# Altium PCB IPG.PcbDoc (part 3 of 10)
Units mm, origin at the board's own origin, x right, y up, seen from the top; angles counter-clockwise.
Board outline 69.6 x 90.73 mm, 10 copper layers (TOP, DHOR, DVERT, GND 1, POWER, GND 2, GND 3, AVERT, AHOR, BOT), stack 1.062 mm thick; 727 components, 391 nets, 2009 pads, 3077 vias.
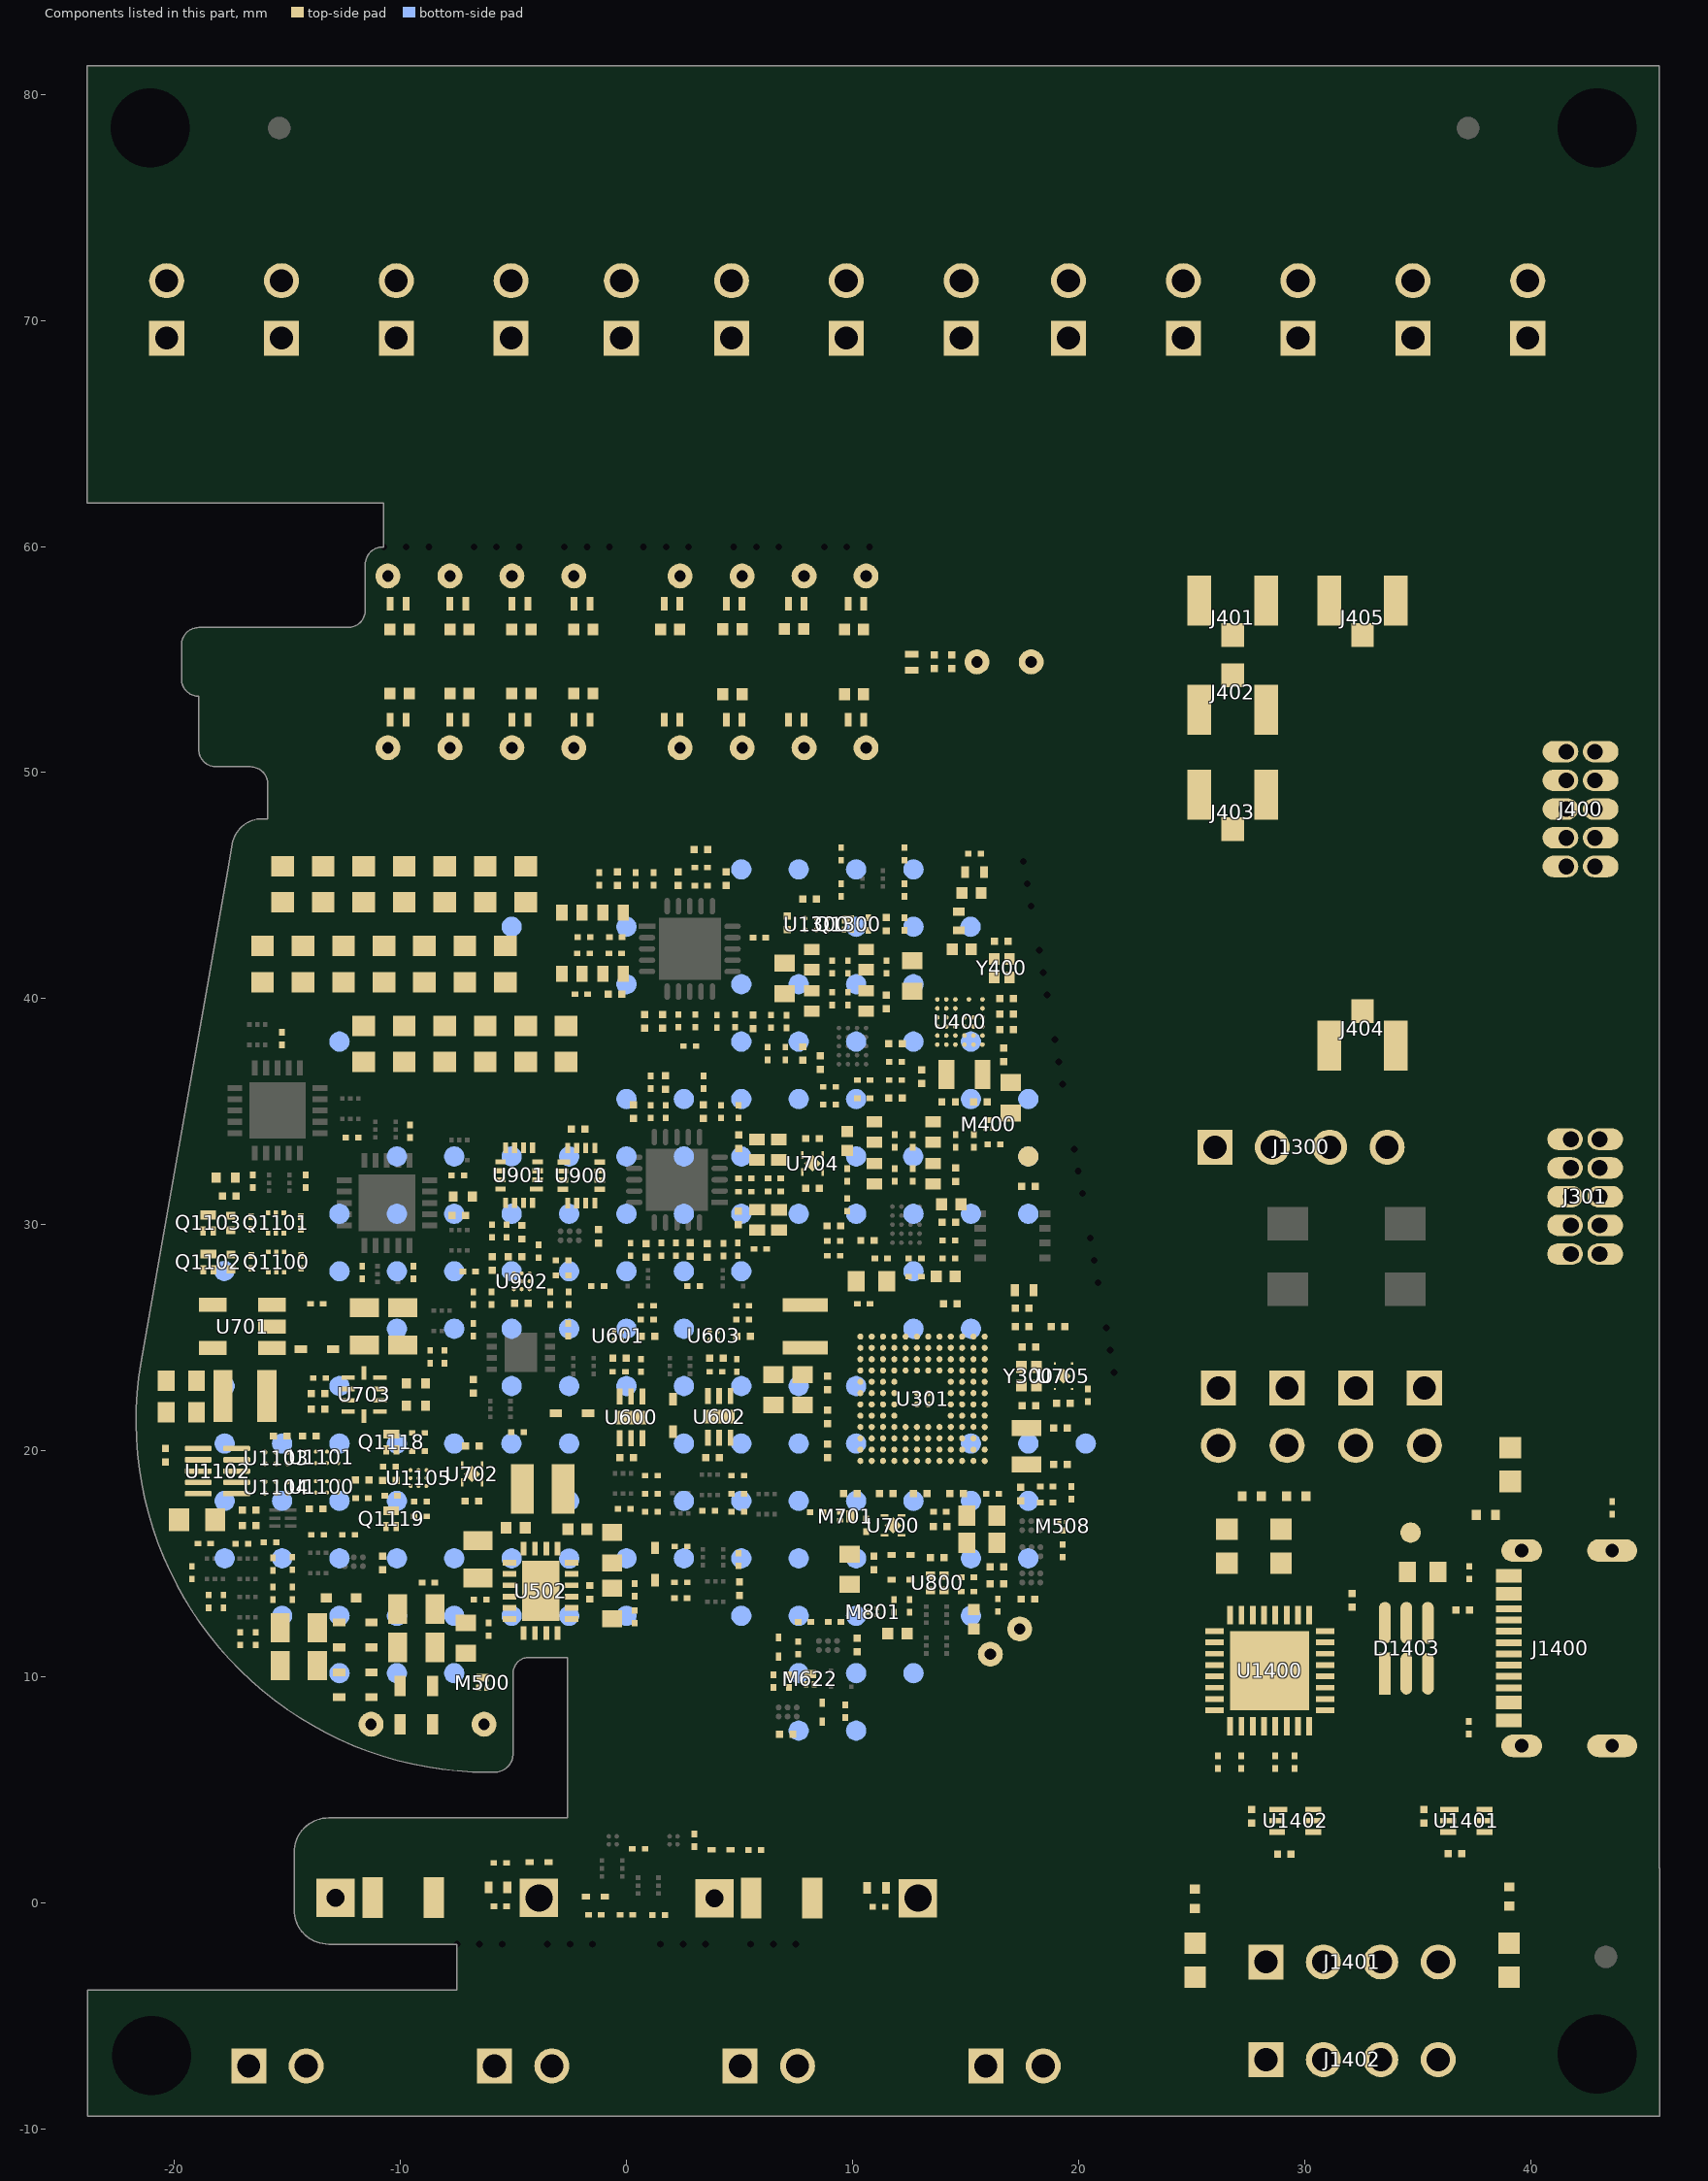
[diagram p11: the components of this part, seen from the top]

## Footprints (in the part's own frame and the unit in brackets; to place one, negate y for a bottom-side part, rotate by r counter-clockwise, add the part's x,y. Pads: shape width x height; smd on the part's side, far side on the other; paste and mask are expansions set on the pad) (continued)
FP-U_FL-R-SMT-1_10-MFG [mm]
  rect 1x1.05 smd: 1(0,-1.525)
  rect 1.05x2.2 smd: 2(1.475,0) 3(-1.475,0)
  body extent -1.5,-1.55 1.5,1.55, height 1.45
HOLE_UNPLATED_3.5MM [mm]
  round 0 hole 3.5 unplated paste-2539.97 mask+0.102: 1(0,0)
L0402_C [mm] "Chip Inductor, 2-Leads, Body 1.00x0.50mm, IPC High Density"
  rect 0.35x0.52 smd: 1(-0.415,0) 2(0.415,0)
  TOP keep-out region: -0.108,-0.362 0.108,-0.362 0.108,0.362 -0.108,0.362
  body extent -0.5,-0.25 0.5,0.25, height 0.54
LEDC0603 [mm]
  rect 0.95x0.95 smd: A(0.75,0) K(-0.75,0)
  silkscreen extent -2.03,-0.13 -1.78,0.13, body extent -0.83,-0.4 0.77,0.4, height 0.7
LITTELFUSE_440series_1206_REDUCED [mm] "Fuse, 2-Leads, Body 3.20x1.63mm, IPC High Density"
  rect 0.9x1.8 smd: 1(-1.35,0) 2(1.35,0)
  body extent -1.69,-0.86 1.69,0.86, height 0.86
LSEUC2520KKT6R8M [mm] "Inductor, Chip; 2.50 mm L X 2.00 mm W X 1.00 mm H body"
  rect 1x2.2 smd: 1(-0.9,0) 2(0.9,0)
  body extent -1.25,-1 1.25,1, height 1
LT_DC6 [mm] "SON, 6-Leads, Body 2.00x2.00mm, Pitch 0.50mm, Thermal Pad, IPC High Density"
  rect 0.7x0.25 smd: 1(-0.925,0.5) 2(-0.925,0) 3(-0.925,-0.5) 4(0.925,-0.5) 5(0.925,0) 6(0.925,0.5)
  rect 0.6x1.37 smd: 7(0,0)
  silkscreen extent -1.31,0.92 -1.19,1.03, body extent -1.05,-1.05 1.05,1.05, height 0.85
LT_S5_L [mm] "SOT23, 5-Leads, Body 2.90x2.80mm, Pitch 0.95mm, IPC High Density"
  rect 1.22x0.62 smd: 1(-1.31,0.95) 2(-1.31,0) 3(-1.31,-0.95) 4(1.31,-0.95) 5(1.31,0.95)
  body extent -1.5,-1.5 1.5,1.5, height 1.45
LT_UDC-20_REDUCED [mm] "QFN, 20-Leads, Body 3.00x4.00mm, Pitch 0.50mm, Thermal Pad 1.65x2.65mm, IPC High Density"
  rect 0.6x0.25 smd: 1(-1.375,1.25) 2(-1.375,0.75) 3(-1.375,0.25) 4(-1.375,-0.25) 5(-1.375,-0.75) 6(-1.375,-1.25) 11(1.375,-1.25) 12(1.375,-0.75) 13(1.375,-0.25) 14(1.375,0.25) 15(1.375,0.75) 16(1.375,1.25)
  rect 0.25x0.6 smd: 7(-0.75,-1.875) 8(-0.25,-1.875) 9(0.25,-1.875) 10(0.75,-1.875) 17(0.75,1.875) 18(0.25,1.875) 19(-0.25,1.875) 20(-0.75,1.875)
  rect 1.65x2.65 smd: 21(0,0)
  silkscreen extent -1.75,1.8 -1.3,2.25, body extent -1.55,-2.05 1.55,2.05, height 0.8
MICROCRYSTAL_CC8V-T1A [mm] "DFN, 2-Leads, Body 1.20x2.00mm, Pitch 1.47mm, IPC High Density"
  rect 0.7x1.3 smd: 1(-0.8,0) 2(0.8,0)
  body extent -1,-0.6 1,0.6, height 0.6
Negative_Battery_PTH [mm] "Negative terminal battery PTH connector for the QL0200I-A battery"
  rect 1.7x1.7 hole 0.8 mask+0.076: 1(0,0)
NORDIC_WLCSP_2.482x2.464 [mil]
  round 8 smd: A1(-39.37,39.37) A2(-23.62,39.37) A3(-7.87,39.38) A4(7.87,39.38) A5(23.62,39.38) A6(39.37,39.38) B3(-7.87,23.62) B4(7.87,23.62) B5(23.62,23.63) B6(39.37,23.63) C1(-39.37,15.75) D3(-7.87,7.87) D4(7.87,7.88) D5(23.62,7.88) D6(39.37,7.88) E1(-39.37,-7.88) E2(-23.62,-7.88) E3(-7.87,-7.88) E4(7.87,-7.87) E5(23.62,-7.87) E6(39.37,-7.87) F1(-39.37,-23.63) F2(-23.62,-23.63) F3(-7.87,-23.62) F4(7.87,-23.62) F5(23.62,-23.62) F6(39.37,-23.62) G1(-39.37,-39.38) G2(-23.62,-39.38) G3(-7.87,-39.38) G4(7.87,-39.38) G5(23.62,-39.37) G6(39.37,-39.37)
  silkscreen extent -53,-52 53,52, body extent -49,-48 49,48, height 21
NVE_ULLGA4 [mm] "PSON, 4-Leads, Body 1.10x1.10mm, Pitch 0.65mm, IPC High Density"
  rect 0.35x0.4 smd mask+0.051: 1(-0.325,0.3) 2(-0.325,-0.3) 3(0.325,-0.3) 4(0.325,0.3)
  silkscreen extent -0.69,0.47 -0.47,0.69, body extent -0.6,-0.6 0.6,0.6, height 0.4
ONSC_SOD-923_CASE514AB [mm]
  rect 0.36x0.25 smd: 1(0.42,0) 2(-0.42,0)
  silkscreen extent 0.82,-0.31 0.82,0.29, body extent -0.5,-0.33 0.5,0.33, height 0.4
PESD5V0S1BLD315 [mm]
  rect 0.3x0.6 smd mask+0.051: 1(-0.35,0) 2(0.35,0)
  silkscreen extent -0.96,-0.05 -0.86,0.05, body extent -0.51,-0.3 0.51,0.3, height 0.37
PG-VQFN-32-803 [mil]
  rect 32x10 smd paste+0 mask+2: 1(-96.5,68.9) 2(-96.5,49.21) 3(-96.5,29.53) 4(-96.5,9.84) 5(-96.5,-9.84) 6(-96.5,-29.53) 7(-96.5,-49.21) 8(-96.5,-68.9) 17(96.5,-68.9) 18(96.5,-49.21) 19(96.5,-29.53) 20(96.5,-9.84) 21(96.5,9.84) 22(96.5,29.53) 23(96.5,49.21) 24(96.5,68.9)
  rect 10x32 smd paste+0 mask+2: 9(-68.9,-96.5) 10(-49.21,-96.5) 11(-29.53,-96.5) 12(-9.84,-96.5) 13(9.84,-96.5) 14(29.53,-96.5) 15(49.21,-96.5) 16(68.9,-96.5) 25(68.9,96.5) 26(49.21,96.5) 27(29.53,96.5) 28(9.84,96.5) 29(-9.84,96.5) 30(-29.53,96.5) 31(-49.21,96.5) 32(-68.9,96.5)
  rect 138x138 smd paste+0 mask+2: 33(0,0)
  silkscreen extent -110,91 -91,110, body extent -101,-101 101,101, height 37
Positive_Battery_PTH [mm] "Positive terminal battery PTH connector for the QL0200I-A battery"
  rect 1.7x1.7 hole 1.2 mask+0.076: 1(0,0)
QFN40P180X260X60-16N-D [mm]
  rect 0.562x0.225 smd mask+0.045: 1(-0.768,0.6)
  rect 0.463x0.225 smd mask+0.045: 2(-0.818,0.2) 3(-0.818,-0.2) 4(-0.818,-0.6) 9(0.818,-0.6) 10(0.818,-0.2) 11(0.818,0.2) 12(0.818,0.6)
  rect 0.225x0.463 smd mask+0.045: 5(-0.6,-1.218) 6(-0.2,-1.218) 7(0.2,-1.218) 8(0.6,-1.218) 13(0.6,1.218) 14(0.2,1.218) 15(-0.2,1.218) 16(-0.6,1.218)
  silkscreen extent -1.32,1.23 -0.81,1.74, body extent -0.95,-1.35 0.95,1.35, height 0.6
R0201_C#1 [mm] "R0201_C generated by IPC compliant footprint wizard"
  rect 0.29x0.25 smd mask+0.051: 1(-0.28,0) 2(0.28,0)
  TOP keep-out region: -0.072,-0.176 0.073,-0.176 0.073,0.176 -0.072,0.176
  body extent -0.32,-0.17 0.32,0.17, height 0.26
R0201_C#2 [mm] "Chip Resistor, 2-Leads, Body 0.60x0.30mm, IPC High Density"
  rect 0.35x0.4 smd: 1(-0.325,0) 2(0.325,0)
  body extent -0.3,-0.15 0.3,0.15, height 0.3
R0603 [mm] "R0603_B generated by IPC compliant footprint wizard"
  rect 0.9x1 smd: 1(-0.8,0) 2(0.8,0)
  body extent -0.9,-0.5 0.9,0.5, height 0.5
RENESAS_L10.2.1X1.6A_UTQFN10 [mm]
  rect 0.6x0.2 smd: 1(-0.7,0.75) 2(-0.7,0.25) 3(-0.7,-0.25) 4(-0.7,-0.75) 6(0.7,-0.75) 7(0.7,-0.25) 8(0.7,0.25) 9(0.7,0.75)
  rect 0.2x0.6 smd: 5(0,-0.95) 10(0,0.95)
  silkscreen extent -0.98,1.14 -0.87,1.26, body extent -0.8,-1.05 0.8,1.05, height 0.56
RES0402_REDUCED [mm] "R0402_C generated by IPC compliant footprint wizard"
  rect 0.4x0.45 smd: 1(-0.425,0) 2(0.425,0)
  body extent -0.53,-0.28 0.53,0.28, height 0.4
SAMTEC_FTSH-105-01-XXX-D-K [mm]
  oval 0.95x1.575 hole 0.7 copper offset 0,-0.254 mask+0.076: 1(-2.54,-0.635) 3(-1.27,-0.635) 5(0,-0.635) 7(1.27,-0.635) 9(2.54,-0.635)
  oval 0.95x1.575 hole 0.7 copper offset 0,0.254 mask+0.076: 2(-2.54,0.635) 4(-1.27,0.635) 6(0,0.635) 8(1.27,0.635) 10(2.54,0.635)
  silkscreen extent -4.32,-1.59 -3.62,-0.19, body extent -3.17,-2.54 3.17,2.54, height 5.71
SMTC-TSW-102-26-XX-S [mm] ".025 SQ Post Terminal Strip Assembly, 1x2 Pins, Vertical, 2.54mm Pitch, Male"
  rect 1.55x1.55 hole 1.02: 1(0,0)
  round 1.55 hole 1.02: 2(2.54,0)
  silkscreen extent -1.53,-1.36 -1.53,1.35, body extent -1.4,-1.27 3.81,1.27, height 8.38
SMTC-TSW-104-07-X-S [mm] ".025 SQ Post Terminal Strip Assembly, 1x4 Pins, Vertical, 2.54mm Pitch, Male"
  rect 1.55x1.55 hole 1.02: 1(0,0)
  round 1.55 hole 1.02: 2(2.54,0) 3(5.08,0) 4(7.62,0)
  silkscreen extent -1.46,-1.27 9.08,1.27, body extent -1.4,-1.27 8.89,1.27, height 8.38
SODFL1608X70N [mm]
  rect 0.48x0.4 smd: 1(-0.66,0) 2(0.66,0)
  silkscreen extent -1.4,-0.25 -1.4,0.25, body extent -0.8,-0.4 0.8,0.4, height 0.7
SON127P600-8N [mm]
  rect 0.8x0.25 smd mask+0.051: 1(-0.75,0.5)
  rect 0.7x0.25 smd mask+0.051: 2(-0.8,0) 3(-0.8,-0.5) 4(0.8,-0.5) 5(0.8,0) 6(0.8,0.5)
  silkscreen extent -1.22,0.88 -1.12,0.97, body extent -0.82,-0.77 0.82,0.77, height 0.8
STM_SOD-523_R [mm]
  rect 0.55x0.35 smd: 1(-0.715,0) 2(0.715,0)
  silkscreen extent -0.99,0.54 -0.44,0.54, body extent -0.8,-0.45 0.8,0.45, height 0.7
STM_UFBGA132 [mm] "Ball Grid Array (BGA), 0.50 mm pitch, square; 132 pin, 7.00 mm L X 7.00 mm W X 0.60 mm H body"
  round 0.27 smd: A1(-2.75,2.75) A2(-2.25,2.75) A3(-1.75,2.75) A4(-1.25,2.75) A5(-0.75,2.75) A6(-0.25,2.75) A7(0.25,2.75) A8(0.75,2.75) A9(1.25,2.75) A10(1.75,2.75) A11(2.25,2.75) A12(2.75,2.75) B1(-2.75,2.25) B2(-2.25,2.25) B3(-1.75,2.25) B4(-1.25,2.25) B5(-0.75,2.25) B6(-0.25,2.25) B7(0.25,2.25) B8(0.75,2.25) B9(1.25,2.25) B10(1.75,2.25) B11(2.25,2.25) B12(2.75,2.25) C1(-2.75,1.75) C2(-2.25,1.75) C3(-1.75,1.75) C4(-1.25,1.75) C5(-0.75,1.75) C6(-0.25,1.75) C7(0.25,1.75) C8(0.75,1.75) C9(1.25,1.75) C10(1.75,1.75) C11(2.25,1.75) C12(2.75,1.75) D1(-2.75,1.25) D2(-2.25,1.25) D3(-1.75,1.25) D4(-1.25,1.25) D5(-0.75,1.25) D6(-0.25,1.25) D7(0.25,1.25) D8(0.75,1.25) D9(1.25,1.25) D10(1.75,1.25) D11(2.25,1.25) D12(2.75,1.25) E1(-2.75,0.75) E2(-2.25,0.75) E3(-1.75,0.75) E4(-1.25,0.75) E9(1.25,0.75) E10(1.75,0.75) E11(2.25,0.75) E12(2.75,0.75) F1(-2.75,0.25) F2(-2.25,0.25) F3(-1.75,0.25) F4(-1.25,0.25) F6(-0.25,0.25) F7(0.25,0.25) F9(1.25,0.25) F10(1.75,0.25) F11(2.25,0.25) F12(2.75,0.25) G1(-2.75,-0.25) G2(-2.25,-0.25) G3(-1.75,-0.25) G4(-1.25,-0.25) G6(-0.25,-0.25) G7(0.25,-0.25) G9(1.25,-0.25) G10(1.75,-0.25) G11(2.25,-0.25) G12(2.75,-0.25) H1(-2.75,-0.75) H2(-2.25,-0.75) H3(-1.75,-0.75) H4(-1.25,-0.75) H9(1.25,-0.75) H10(1.75,-0.75) H11(2.25,-0.75) H12(2.75,-0.75) J1(-2.75,-1.25) J2(-2.25,-1.25) J3(-1.75,-1.25) J4(-1.25,-1.25) J5(-0.75,-1.25) J6(-0.25,-1.25) J7(0.25,-1.25) J8(0.75,-1.25) J9(1.25,-1.25) J10(1.75,-1.25) J11(2.25,-1.25) J12(2.75,-1.25) K1(-2.75,-1.75) K2(-2.25,-1.75) K3(-1.75,-1.75) K4(-1.25,-1.75) K5(-0.75,-1.75) K6(-0.25,-1.75) K7(0.25,-1.75) K8(0.75,-1.75) K9(1.25,-1.75) K10(1.75,-1.75) K11(2.25,-1.75) K12(2.75,-1.75) L1(-2.75,-2.25) L2(-2.25,-2.25) L3(-1.75,-2.25) L4(-1.25,-2.25) L5(-0.75,-2.25) L6(-0.25,-2.25) L7(0.25,-2.25) L8(0.75,-2.25) L9(1.25,-2.25) L10(1.75,-2.25) L11(2.25,-2.25) L12(2.75,-2.25) M1(-2.75,-2.75) M2(-2.25,-2.75) M3(-1.75,-2.75) M4(-1.25,-2.75) M5(-0.75,-2.75) M6(-0.25,-2.75) M7(0.25,-2.75) M8(0.75,-2.75) M9(1.25,-2.75) M10(1.75,-2.75) M11(2.25,-2.75) M12(2.75,-2.75)
  silkscreen extent -3.55,-3.55 3.55,3.55, body extent -3.5,-3.5 3.5,3.5, height 0.6
TDK_VLS252010HBX-1 [mm] "Chip Inductor, 2-Leads, Body 2.50x2.00mm, IPC High Density"
  rect 0.6x2 smd: 1(-0.95,0) 2(0.95,0)
  body extent -1.25,-1 1.25,1, height 0.99
testpad_0.9mm [mm]
  round 0.9 smd paste-1: 1(0,0)
TI_DRX0010A [mm] "SON, 10-Leads, Body 2.50x2.50mm, Pitch 0.50mm, IPC High Density"
  rrect50% 1.2x0.24 smd: 1(-0.85,1) 2(-0.85,0.5) 3(-0.85,0) 4(-0.85,-0.5) 5(-0.85,-1) 6(0.85,-1) 7(0.85,-0.5) 8(0.85,0) 9(0.85,0.5) 10(0.85,1)
  silkscreen extent -1.55,-1.35 0.6,1.35, body extent -1.3,-1.3 1.3,1.3, height 0.8
TI_X2SON_DQN0004A [mm] "SON, 5-Leads, Body 1.00x1.00mm, Pitch 0.65mm, IPC High Density"
  rect 0.1x0.1 smd mask+0.051: 1(-0.56,0.38) 2(-0.56,-0.38) 3(0.56,-0.38) 4(0.56,0.38)
  rect 0.48x0.48 smd rot 135 mask+0.051: 5(0,0)
  TOP region: 0.25,0.43 0.61,0.43 0.61,0.22 0.43,0.22 0.25,0.4
  TOP region: 0.25,-0.43 0.61,-0.43 0.61,-0.22 0.43,-0.22 0.25,-0.4
  TOP region: -0.25,-0.43 -0.61,-0.43 -0.61,-0.22 -0.43,-0.22 -0.25,-0.4
  TOP region: -0.25,0.43 -0.61,0.43 -0.61,0.22 -0.43,0.22 -0.25,0.4
  silkscreen extent -0.82,0.3 -0.53,0.65, body extent -0.5,-0.5 0.5,0.5, height 0.4
TI_YCK0009 [mm] "BGA, 9-Leads, Body 0.95x0.95mmx0.33mm, Pitch 0.35mm"
  round 0.18 smd mask+0.025: A1(-0.35,0.35) A2(0,0.35) A3(0.35,0.35) B1(-0.35,0) B2(0,0) B3(0.35,0) C1(-0.35,-0.35) C2(0,-0.35) C3(0.35,-0.35)
  silkscreen extent -0.6,0.3 -0.3,0.6, body extent -0.48,-0.48 0.48,0.48, height 0.33
TI_YKA0004 [mm] "BGA, 4-Leads, Body 0.70x0.70mmx0.40mm, Pitch 0.35mm"
  round 0.2 smd mask+0.025: A1(-0.175,0.175) A2(0.175,0.175) B1(-0.175,-0.175) B2(0.175,-0.175)
  silkscreen extent -0.45,0.2 -0.2,0.45, body extent -0.35,-0.35 0.35,0.35, height 0.4
TI_YZP6 [mm] "BGA, 6-Leads, Body 0.89x1.39mmx0.50mm, Pitch 0.50mm"
  round 0.225 smd mask+0.076: 1(-0.25,0.5) 2(-0.25,0) 3(-0.25,-0.5) 4(0.25,-0.5) 5(0.25,0) 6(0.25,0.5)
  silkscreen extent -0.58,0.55 -0.3,0.83, body extent -0.45,-0.69 0.45,0.69, height 0.5
TI_YZP0008 [mm] "BGA, 8-Leads, Body 0.89x1.89mmx0.50mm, Pitch 0.50mm"
  round 0.178 smd mask+0.076: 1(-0.25,0.75) 2(-0.25,0.25) 3(-0.25,-0.25) 4(-0.25,-0.75) 5(0.25,-0.75) 6(0.25,-0.25) 7(0.25,0.25) 8(0.25,0.75)
  silkscreen extent -0.55,0.85 -0.35,1.05, body extent -0.45,-0.94 0.45,0.94, height 0.5
WURTH_74438323100_REDUCED [mm] "Inductor, Chip; 2.50 mm L X 2.00 mm W X 1.00 mm H body"
  rect 0.85x2.3 smd: 1(-0.975,0) 2(0.975,0)
  body extent -1.25,-1 1.25,1, height 1
"X2-DFN1010-4 (Type B)" [mm] "DFN, 5-Leads, Body 1.00x1.10mm, Pitch 0.65mm"
  rect 0.112x0.35 smd mask+0.025: 1(-0.444,-0.375) 2(0.444,-0.375) 3(0.444,0.375) 4(-0.444,0.375)
  rect 0.53x0.53 smd rot 45 mask+0.025: 5(0,0)
  TOP region: 0.388,-0.2 0.5,-0.2 0.5,-0.55 0.15,-0.55 0.15,-0.438
  TOP region: -0.388,-0.2 -0.5,-0.2 -0.5,-0.55 -0.15,-0.55 -0.15,-0.438
  TOP region: 0.388,0.2 0.5,0.2 0.5,0.55 0.15,0.55 0.15,0.438
  TOP region: -0.388,0.2 -0.5,0.2 -0.5,0.55 -0.15,0.55 -0.15,0.438
  silkscreen extent -0.67,-0.72 -0.33,-0.38, body extent -0.5,-0.5 0.5,0.5, height 0.4
XTAL_ECS-SMD-CRYSTAL-10-48-CKY-TR [mm]
  rect 0.52x0.47 smd mask+0.048: 1(-0.41,-0.335) 2(0.41,-0.335) 3(0.41,0.335) 4(-0.41,0.335)
  silkscreen extent -0.86,-0.76 -0.44,-0.39, body extent -0.6,-0.5 0.6,0.5, height 0.33

## Part data
C300 C301 C305 C306 C400 C403 C406 C407: "Ceramic Capacitor, Multilayer, Ceramic, 25V, 5% +Tol, 5% -Tol, C0G, 30ppm/Cel TC, 0.000012uF, Surface Mount, 0201", Capacitor Type=Ceramic, Case/Package=0201, Manufacturer=Murata, Max Operating Temperature=125°C, Min Operating Temperature=-55°C, Package Shape=Rectangular, Rated DC Voltage (URdc)=25V, Supplier Part Number=490-3144-1-ND, Temperature Characteristics Code=C0G, Tolerance  (fill in as +-)=5%, Category="Ceramic Capacitors", ComponentLink1Description=https://datasheet.ciiva.com:443/pdfs/VipMasterIC/IC/MURE/MURE-S-A0004347008/MURE-S-A0004348737-1.pdf?src-supplier=IHS+Markit, ComponentLink1URL=https://datasheet.ciiva.com:443/pdfs/VipMasterIC/IC/MURE/MURE-S-A0004347008/MURE-S-A0004348737-1.pdf?src-supplier=IHS+Markit, Dielectric Material=Ceramic, JESD-609 Code=e3, Manufacturer Part Number=GRM0335C1E120JA01D, Mounting Technology="Surface Mount", Multilayer=Yes, Packaging="Tape and Reel", Pins=2, Pricing="1=0,1, 10=0,011, 50=0,0062, 100=0,0048, 500=0,0036, 1000=0,00283, 2500=0,00258, 5000=0,00237 (USD)", Reach SVHC Compliant=Yes, RoHS=Yes, RoHS Compliant=Yes, Stock=4384132, Supplier=Digikey, Supplier 1="Arrow Electronics", Supplier Part Number 1=GRM0335C1E120JA01D, Terminal Finish=Nickel, Termination=Wraparound, Tolerance (fill in as +-)=5%
C302 C303 C313 C314 C319 C405 C508 C509 C512 C701 C702 C705 C1400: "Capacitor, 4.7uF, X5R, 16V, 10%, 0603, Implant-grade", Manufacturer=Murata, Medical Grade MFR PN=GCH188R61C475KE11, Package Description=0603, Rating=16V, Supplier Part Number 1=GRM188R61C475KE11D, Category=Capacitor, Length (mm)="1.60 ±0.10", Manufacturer Part Number=GRM188R61C475KE11, Medical Grade MFR=Murata, PCB Footprint=cap0603_reduced, Supplier 1="Arrow Electronics", Thickness (mm)="0.80 ±0.10", Width (mm)="0.80 ±0.10"
C304 C307 C308 C309 C310 C311 C312 C315 C316 C318 C320 C404 C408 C510 C514 C515 C516 C517 C601 C604 C606 C607 C700 C706 C707 C708 C709 C710 C711 C712 C713 C801 C900 C901 C902 C903 C904 C905 C906 C1003 C1004 C1005 C1006 C1018 C1019 C1020 C1021 C1026 C1028 C1100 C1102 C1103 C1109 C1112 C1114 C1115 C1117 C1300 C1302 C1401 C1405 C1407 C1500 C1501: "Ceramic Capacitor, Multilayer, Ceramic, 25V, 10% +Tol, 10% -Tol, X5R, 15% TC, 0.1uF, Surface Mount, 0201", Capacitor Type=Ceramic, Case/Package=0201, Manufacturer=Murata, Max Operating Temperature=85°C, Min Operating Temperature=-55°C, Package Shape=Rectangular, Package Style=SMTMeter, Rated DC Voltage (URdc)=25V, Supplier Part Number=490-14571-1-ND, Temperature Characteristics Code=X5R, Tolerance  (fill in as +-)=10%, Category="Ceramic Capacitors", ComponentLink1Description=https://psearch.en.murata.com:443/capacitor/product/GRM033R61E104KE14%23.pdf?src-supplier=IHS+Markit, ComponentLink1URL=https://psearch.en.murata.com:443/capacitor/product/GRM033R61E104KE14%23.pdf?src-supplier=IHS+Markit, ComponentLink2Description=http://www.mouser.com/ds/2/281/c02e-2905.pdf?src-supplier=Mouser, ComponentLink2URL=http://www.mouser.com/ds/2/281/c02e-2905.pdf?src-supplier=Mouser, ComponentLink3Description=http://search.murata.co.jp/Ceramy/image/img/A01X/G101/ENG/GRM033R61E104KE14-01.pdf?src-supplier=Digikey, ComponentLink3URL=http://search.murata.co.jp/Ceramy/image/img/A01X/G101/ENG/GRM033R61E104KE14-01.pdf?src-supplier=Digikey, ComponentLink4Description=https://search.murata.co.jp/Ceramy/image/img/A01X/G101/ENG/GRM033R61E104KE14-01.pdf?src-supplier=Digikey, ComponentLink4URL=https://search.murata.co.jp/Ceramy/image/img/A01X/G101/ENG/GRM033R61E104KE14-01.pdf?src-supplier=Digikey, Dielectric Material=Ceramic, Height=0.3mm, JESD-609 Code=e3, Length=0.6mm, Manufacturer Part Number=GRM033R61E104KE14J, Mounting Technology="Surface Mount", Multilayer=Yes, Packaging="Tape and Reel", Pins=2, Pricing="1=0,1, 10=0,033, 50=0,0192, 100=0,0148, 500=0,01118, 1000=0,00878, 2500=0,00798, 5000=0,00734 (USD)", Reach SVHC Compliant=Yes, RoHS=Yes, RoHS Compliant=Yes, Stock=1540851, Supplier=Digikey, Supplier 1="Arrow Electronics", Supplier Part Number 1=GRM033R61E104KE14J, Terminal Finish=Nickel, Termination=Wraparound, Tolerance (fill in as +-)=10%, Width=0.3mm
C317 C410 C600 C603 C714 C1301 C1402 C1404 C1406: "Ceramic Capacitor, Multilayer, Ceramic, 16V, 20% +Tol, 20% -Tol, X5R, 15% TC, 1uF, Surface Mount, 0201", Manufacturer=Murata, Rated DC Voltage (URdc)=16V, Supplier Part Number=490-18654-1-ND, Category="Ceramic Capacitors", Manufacturer Part Number=GRM033R61C105ME15D, Pricing="1=0,16, 10=0,105, 50=0,0628, 100=0,0493, 500=0,03644, 1000=0,03017, 2500=0,02808, 5000=0,02569 (USD)", RoHS=No, Stock=132893, Supplier=Digikey, Supplier 1=Avnet, Supplier Part Number 1=GRM033R61C105ME15D
C401: "Capacitor, 0.8pF, Silicon RF, 200V, Tolerance 0.05pF, 0402, Implant-grade", Dielectric=-, Manufacturer="Kyocera AVX", Medical Grade Manufacturer=TBD, Supplier Part Number 1=581-600L0R8AT, Temperature Coefficient="30 ppm/°C", Tolerance=0.05pF, Voltage Rating=200V, Category=Capacitor, Height=0.6mm, Length=1.05mm, Manufacturer Part Number=600L0R8AT200T, Medical Grade Manufacturer Part Number=TBD, Size Code=0402, Supplier=TBD, Supplier 1=Mouser, Supplier Part Number=TBD, Width=0.51mm
C402: "Capacitor, 1pF, RF Capacitors, 200V, Tolerance 0.01pF, 0402, Implant-grade", Dielectric=-, Manufacturer="Kyocera AVX", Medical Grade Manufacturer=TBD, Supplier Part Number 1=581-600L1R0AT, Temperature Coefficient="30 ppm/°C", Tolerance=0.01pF, Voltage Rating=200V, Category=Capacitor, Height=0.6mm, Length=1.02mm, Manufacturer Part Number=600L1R0AT200T, Medical Grade Manufacturer Part Number=TBD, Size Code=0402, Supplier=TBD, Supplier 1=Mouser, Supplier Part Number=TBD, Width=0.51mm
C409: "Ceramic Capacitor, Multilayer, Ceramic, 25V, 10% +Tol, 10% -Tol, X7R, 15% TC, 0.0001uF, Surface Mount, 0201", Capacitor Type=Ceramic, Case/Package=0201, Manufacturer=Murata, Max Operating Temperature=125°C, Min Operating Temperature=-55°C, Package Shape=Rectangular, Package Style=SMTMeter, Rated DC Voltage (URdc)=25V, Supplier Part Number=490-3172-1-ND, Temperature Characteristics Code=X7R, Tolerance  (fill in as +-)=10%, Category="Ceramic Capacitors", ComponentLink1Description=https://psearch.en.murata.com:443/capacitor/product/GRM033R71E101KA01%23.pdf?src-supplier=IHS+Markit, ComponentLink1URL=https://psearch.en.murata.com:443/capacitor/product/GRM033R71E101KA01%23.pdf?src-supplier=IHS+Markit, ComponentLink2Description=https://datasheet.ciiva.com/129/grm033r71e101ka01-01-129915.pdf?src-supplier=Digikey, ComponentLink2URL=https://datasheet.ciiva.com/129/grm033r71e101ka01-01-129915.pdf?src-supplier=Digikey, ComponentLink3Description=https://datasheet.ciiva.com/129/grm033r71e101ka01-01-129916.pdf?src-supplier=Digikey, ComponentLink3URL=https://datasheet.ciiva.com/129/grm033r71e101ka01-01-129916.pdf?src-supplier=Digikey, ComponentLink4Description=https://datasheet.ciiva.com/129/grm033r71e101ka01-01-129917.pdf?src-supplier=Digikey, ComponentLink4URL=https://datasheet.ciiva.com/129/grm033r71e101ka01-01-129917.pdf?src-supplier=Digikey, ComponentLink5Description=https://datasheet.ciiva.com/18184/getdatasheetpartid-228478-18184102.pdf?src-supplier=Verical, ComponentLink5URL=https://datasheet.ciiva.com/18184/getdatasheetpartid-228478-18184102.pdf?src-supplier=Verical, ComponentLink6Description=https://datasheet.ciiva.com/29199/455792-da-01-en-vs-kondensator-0201-29199171.pdf?src-supplier=Conrad, ComponentLink6URL=https://datasheet.ciiva.com/29199/455792-da-01-en-vs-kondensator-0201-29199171.pdf?src-supplier=Conrad, ComponentLink7Description=https://datasheet.ciiva.com/11605/product-11605541.pdf?src-supplier=Avnet, ComponentLink7URL=https://datasheet.ciiva.com/11605/product-11605541.pdf?src-supplier=Avnet, ComponentLink8Description=https://datasheet.ciiva.com/16370/product-16370826.pdf?src-supplier=Future+Electronics, ComponentLink8URL=https://datasheet.ciiva.com/16370/product-16370826.pdf?src-supplier=Future+Electronics, Dielectric Material=Ceramic, Height=0.3mm, JESD-609 Code=e3, Length=0.6mm, Manufacturer Part Number=GRM033R71E101KA01D, Mounting Technology="Surface Mount", Multilayer=Yes, Packaging="Tape and Reel", Pins=2, Pricing="1=0,1, 10=0,01, 50=0,0056, 100=0,0043, 500=0,00324, 1000=0,00255, 2500=0,00232, 5000=0,00213 (USD)", Reach SVHC Compliant=Yes, RoHS=Yes, RoHS Compliant=Yes, Stock=605708, Supplier=Digikey, Supplier 1="Arrow Electronics", Supplier Part Number 1=GRM033R71E101KA01D, Terminal Finish=Nickel, Termination=Wraparound, Tolerance (fill in as +-)=10%, Width=0.3mm
C500 C501: "Capacitor, 27nF, C0G, 100VDC, 2%, 0805, Implant-grade", Dielectric=C0G, Manufacturer=Murata, Medical Grade Manufacturer=TBD, Supplier Part Number=0.85mm, Supplier Part Number 1=81-GRM2195C2A273GE1D, Temperature Coefficient=-, Tolerance=2%, Voltage Rating=100V, Category=Capacitor, Height=1.25mm, Length=2mm, Manufacturer Part Number=GRM2195C2A273GE01D, Medical Grade Manufacturer Part Number=TBD, Size Code="Size Code", Supplier=TBD, Supplier 1=Mouser, Supplier 2=Digikey, Supplier 3=Digikey, Supplier 4=Digikey, Supplier Part Number 2=490-GRM2195C2A273GE01DCT-ND, Supplier Part Number 3=490-GRM2195C2A273GE01DDKR-ND, Supplier Part Number 4=490-GRM2195C2A273GE01DTR-ND, Width=1.25mm
C502 C503: "Capacitor, 4.7nF, C0G, 25V, 1%, 0603, Implant-grade", Dielectric=C0G, Manufacturer=KEMET, Medical Grade Manufacturer=TBD, Supplier Part Number=-, Supplier Part Number 1=80-C0603C472F3GEC, Tolerance=1%, Voltage Rating=25V, Category=Capacitor, Height=0.78mm, Length=2mm, Manufacturer Part Number=C0603C472F3GECTU, Medical Grade Manufacturer Part Number=TBD, Size Code=0805, Supplier=-, Supplier 1=Mouser, Temperature Coefficient=-, Width=1.25mm
C504 C505 C511 C703 C704: "Capacitor, 4.7uF, X7S, 35V, 10%, 0805, Implant-grade", Manufacturer=Murata, Medical Grade MFR PN=GCH21BC7YA475KE11, Package Description=0805, Rating=35V, Category=Capacitor, Length (mm)="2.00 ±0.20", Manufacturer Part Number=GCM21BC7YA475KE36L, Medical Grade MFR=Murata, PCB Footprint=cap0805_reduced, Review=020823, Status=Approved, Supplier 1="Arrow Electronics", Supplier Part Number 1=GCM21BC7YA475KE36L, Thickness (mm)="1.25 ±0.20", Width (mm)="1.25 ±0.20"
C506 C507: "Capacitor, 0.022uF, X7R, 50V, 10%, 0402, Implant-grade", Manufacturer=Murata, Medical Grade MFR PN=GCH155R71H223KE01, Package Description=0402, Rating=50V, Category=Capacitor, Length (mm)="1.00 ±0.05", Manufacturer Part Number=GCM155R71H223KA55D, Medical Grade MFR=Murata, PCB Footprint=cap0402_reduced, Review=020823, Status=Approved, Supplier 1="Arrow Electronics", Supplier Part Number 1=GCM155R71H223KA55D, Thickness (mm)="0.50 ±0.05", Width (mm)="0.50 ±0.05"
C513 C1011 C1027: "Ceramic Capacitor, Multilayer, Ceramic, 25V, 5% +Tol, 5% -Tol, C0G, 30ppm/Cel TC, 0.000033uF, Surface Mount, 0201", Capacitor Type=Ceramic, Case/Package=0201, Manufacturer=Murata, Max Operating Temperature=125°C, Min Operating Temperature=-55°C, Package Shape=Rectangular, Package Style=SMTMeter, Rated DC Voltage (URdc)=25V, Supplier Part Number=490-10678-1-ND, Temperature Characteristics Code=C0G, Tolerance  (fill in as +-)=5%, Category="Ceramic Capacitors", ComponentLink1Description=https://datasheet.ciiva.com:443/pdfs/VipMasterIC/IC/MURE/MURE-S-A0004347008/MURE-S-A0004347461-1.pdf?src-supplier=IHS+Markit, ComponentLink1URL=https://datasheet.ciiva.com:443/pdfs/VipMasterIC/IC/MURE/MURE-S-A0004347008/MURE-S-A0004347461-1.pdf?src-supplier=IHS+Markit, ComponentLink2Description=https://datasheet.ciiva.com/29538/partnumbering-e-01-29538933.pdf?src-supplier=Digikey, ComponentLink2URL=https://datasheet.ciiva.com/29538/partnumbering-e-01-29538933.pdf?src-supplier=Digikey, Dielectric Material=Ceramic, Height=0.3mm, JESD-609 Code=e3, Length=0.6mm, Manufacturer Part Number=GRM0335C1E330JA01D, Mounting Technology="Surface Mount", Multilayer=Yes, Packaging="Tape and Reel", Pins=2, Pricing="1=0,1, 10=0,011, 50=0,0062, 100=0,0048, 500=0,0036, 1000=0,00283, 2500=0,00258, 5000=0,00237 (USD)", Reach SVHC Compliant=Yes, RoHS=Yes, RoHS Compliant=Yes, Stock=355128, Supplier=Digikey, Supplier 1="Arrow Electronics", Supplier Part Number 1=GRM0335C1E330JA01D, Terminal Finish=Nickel, Termination=Wraparound, Tolerance (fill in as +-)=5%, Width=0.3mm
C602 C605: "Ceramic Capacitor, Multilayer, Ceramic, 25V, 10% +Tol, 10% -Tol, X7R, 15% TC, 0.00047uF, Surface Mount, 0201", Capacitor Type=Ceramic, Case/Package=0201, Manufacturer=Murata, Max Operating Temperature=125°C, Min Operating Temperature=-55°C, Package Shape=Rectangular, Package Style=SMTMeter, Rated DC Voltage (URdc)=25V, Supplier Part Number=490-17744-1-ND, Temperature Characteristics Code=X7R, Tolerance  (fill in as +-)=10%, Category="Ceramic Capacitors", ComponentLink1Description=https://psearch.en.murata.com:443/capacitor/product/GCM033R71E471KA03%23.pdf?src-supplier=IHS+Markit, ComponentLink1URL=https://psearch.en.murata.com:443/capacitor/product/GCM033R71E471KA03%23.pdf?src-supplier=IHS+Markit, ComponentLink2Description=https://datasheet.ciiva.com/11604/product-11604532.pdf?src-supplier=Avnet, ComponentLink2URL=https://datasheet.ciiva.com/11604/product-11604532.pdf?src-supplier=Avnet, ComponentLink3Description=https://datasheet.ciiva.com/163/s0717e-163390.pdf?src-supplier=Digikey, ComponentLink3URL=https://datasheet.ciiva.com/163/s0717e-163390.pdf?src-supplier=Digikey, Dielectric Material=Ceramic, Height=0.33mm, JESD-609 Code=e3, Length=0.6mm, Manufacturer Part Number=GCM033R71E471KA03D, Mounting Technology="Surface Mount", Multilayer=Yes, Packaging="Tape and Reel", Pins=2, Pricing="1=0,1, 10=0,028, 50=0,016, 100=0,0125, 500=0,00938, 1000=0,00736, 2500=0,0067, 5000=0,00616 (USD)", Reach SVHC Compliant=Yes, Reference Standard=AEC-Q200, RoHS=Yes, RoHS Compliant=Yes, Stock=21174, Supplier=Digikey, Supplier 1="Arrow Electronics", Supplier Part Number 1=GCM033R71E471KA03D, Terminal Finish=Nickel, Termination=Wraparound, Tolerance (fill in as +-)=10%, Width=0.3mm
C800: "Capacitor, 10uf, X5R, 10V, 20%, 0402, Implant-grade", Manufacturer=Murata, Medical Grade MFR=TBD, Package Description=0402, Rating=10V, Supplier Part Number 1=2114729, Category=Capacitor, Length (mm)="1.00 ±0.22", Manufacturer Part Number=ZRB15XR61A106ME01D, Medical Grade MFR PN=TBD, PCB Footprint=cap0402_reduced, Supplier 1="Future Electronics", Thickness (mm)="0.65 ±0.2", Width (mm)="0.50 ±0.2"
C802: "Capacitor, 10uf, X5R, 10V, 20%, 0402, Implant-grade", Manufacturer=Murata, Medical Grade MFR=TBD, Package Description=0402, Rating=10V, Category=Capacitor, Length (mm)="1.00 ±0.22", Manufacturer Part Number=ZRB15XR61A106ME01D, Medical Grade MFR PN=TBD, PCB Footprint=cap0402_reduced, Supplier 1="Arrow Electronics", Supplier Part Number 1=ZRB15XR61A106ME01D, Thickness (mm)="0.65 ±0.2", Width (mm)="0.50 ±0.2"
C1000 C1015: "Ceramic Capacitor, Multilayer, Ceramic, 6.3V, 20% +Tol, 20% -Tol, X5R, 15% TC, 1.5uF, Surface Mount, 0201", Capacitor Type=Ceramic, Case/Package=0201, Manufacturer=Murata, Max Operating Temperature=85°C, Min Operating Temperature=-55°C, Package Shape=Rectangular, Rated DC Voltage (URdc)=6.3V, Supplier Part Number=490-13223-1-ND, Temperature Characteristics Code=X5R, Tolerance  (fill in as +-)=20%, Category="Ceramic Capacitors", ComponentLink1Description=https://psearch.en.murata.com:443/capacitor/product/GRM033R60J155ME14%23.pdf?src-supplier=IHS+Markit, ComponentLink1URL=https://psearch.en.murata.com:443/capacitor/product/GRM033R60J155ME14%23.pdf?src-supplier=IHS+Markit, ComponentLink2Description=http://search.murata.co.jp/Ceramy/image/img/A01X/G101/ENG/GRM033R60J155ME14-01.pdf?src-supplier=Digikey, ComponentLink2URL=http://search.murata.co.jp/Ceramy/image/img/A01X/G101/ENG/GRM033R60J155ME14-01.pdf?src-supplier=Digikey, ComponentLink3Description=http://search.murata.co.jp/Ceramy/image/img/A01X/partnumbering_e_01.pdf?src-supplier=Digikey, ComponentLink3URL=http://search.murata.co.jp/Ceramy/image/img/A01X/partnumbering_e_01.pdf?src-supplier=Digikey, Dielectric Material=Ceramic, Manufacturer Part Number=GRM033R60J155ME14D, Mounting Technology="Surface Mount", Multilayer=Yes, Packaging="Tape and Reel", Pins=2, Pricing="1=0,2, 10=0,131, 50=0,083, 100=0,0664, 500=0,04794, 1000=0,04241, 2500=0,04056, 5000=0,03687 (USD)", Reach SVHC Compliant=Yes, RoHS=Yes, RoHS Compliant=Yes, Stock=47845, Supplier=Digikey, Supplier 1="Arrow Electronics", Supplier Part Number 1=GRM033R60J155ME14D, Termination=Wraparound, Tolerance (fill in as +-)=20%
C1001 C1007 C1016 C1022: "Ceramic Capacitor, Multilayer, Ceramic, 16V, 20% +Tol, 20% -Tol, X5R, 15% TC, 0.018uF, Surface Mount, 0201", Capacitor Type=Ceramic, Case/Package=0201, Manufacturer=Murata, Max Operating Temperature=85°C, Min Operating Temperature=-55°C, Package Shape=Rectangular, Package Style=SMTMeter, Rated DC Voltage (URdc)=16V, Supplier Part Number 1=490-10414-1-ND, Temperature Characteristics Code=X5R, Tolerance  (fill in as +-)=20%, Category="Ceramic Capacitors", ComponentLink1Description=https://psearch.en.murata.com:443/capacitor/product/GRM033R61C223ME84%23.pdf?src-supplier=IHS+Markit, ComponentLink1URL=https://psearch.en.murata.com:443/capacitor/product/GRM033R61C223ME84%23.pdf?src-supplier=IHS+Markit, ComponentLink2Description=http://www.farnell.com/datasheets/2735417.pdf?src-supplier=Farnell, ComponentLink2URL=http://www.farnell.com/datasheets/2735417.pdf?src-supplier=Farnell, ComponentLink3Description=http://search.murata.co.jp/Ceramy/image/img/A01X/G101/ENG/GRM033R61C223ME84-01.pdf?src-supplier=Digikey, ComponentLink3URL=http://search.murata.co.jp/Ceramy/image/img/A01X/G101/ENG/GRM033R61C223ME84-01.pdf?src-supplier=Digikey, Dielectric Material=Ceramic, Height=0.3mm, JESD-609 Code=e3, Length=0.6mm, Manufacturer Part Number=GRM033R61C183KE84D, Mounting Technology="Surface Mount", Multilayer=Yes, Packaging="Tape and Reel", Pins=2, Pricing="1=0,1, 10=0,044, 50=0,0254, 100=0,0196, 500=0,01478, 1000=0,01161, 2500=0,01056, 5000=0,00971 (USD)", Reach SVHC Compliant=Yes, RoHS=Yes, RoHS Compliant=Yes, Stock=109140, Supplier 1=Digikey, Terminal Finish=Nickel, Termination=Wraparound, Tolerance (fill in as +-)=20%, Width=0.3mm
C1002 C1008: "Capacitor, 0.33uF, X7S, 16V, 10%, 0402", Manufacturer=TDK, Medical Grade MFR=TBD, Package Description=0402, Rating=16V, Category=Capacitor, Length (mm)="1.00 ±0.05", Manufacturer Part Number=CGA2B1X7S1C334K050BC, Medical Grade MFR PN=TBD, PCB Footprint=cap0402_reduced, Review=020823, Status=Approved, Supplier 1="Arrow Electronics", Supplier Part Number 1=CGA2B1X7S1C334K050BC, Thickness (mm)="0.50 ±0.05", Width (mm)="0.50 ±0.05"
C1009 C1010 C1013 C1024 C1025: "Ceramic Capacitor, Multilayer, Ceramic, 25V, 10% +Tol, 10% -Tol, X7R, 15% TC, 0.001uF, Surface Mount, 0201", Capacitor Type=Ceramic, Case/Package=0201, Manufacturer=Murata, Max Operating Temperature=125°C, Min Operating Temperature=-55°C, Package Shape=Rectangular, Package Style=SMTMeter, Rated DC Voltage (URdc)=25V, Supplier Part Number=490-8161-1-ND, Temperature Characteristics Code=X7R, Tolerance  (fill in as +-)=10%, Category="Ceramic Capacitors", ComponentLink1Description=https://psearch.en.murata.com:443/capacitor/product/GRM033R71E102KA01%23.pdf?src-supplier=IHS+Markit, ComponentLink1URL=https://psearch.en.murata.com:443/capacitor/product/GRM033R71E102KA01%23.pdf?src-supplier=IHS+Markit, ComponentLink2Description=https://datasheet.ciiva.com/5453/product-5453157.pdf?src-supplier=Mouser, ComponentLink2URL=https://datasheet.ciiva.com/5453/product-5453157.pdf?src-supplier=Mouser, ComponentLink3Description=https://datasheet.ciiva.com/11621/product-11621675.pdf?src-supplier=Avnet, ComponentLink3URL=https://datasheet.ciiva.com/11621/product-11621675.pdf?src-supplier=Avnet, Dielectric Material=Ceramic, Height=0.3mm, JESD-609 Code=e3, Length=0.6mm, Manufacturer Part Number=GRM033R71E102KA01J, Mounting Technology="Surface Mount", Multilayer=Yes, Packaging="Tape and Reel", Pins=2, Pricing="1=0,1, 10=0,01, 50=0,0056, 100=0,0044, 500=0,00328, 1000=0,00258, 2500=0,00234, 5000=0,00216 (USD)", Reach SVHC Compliant=Yes, RoHS=Yes, RoHS Compliant=Yes, Stock=136185, Supplier=Digikey, Supplier 1="Arrow Electronics", Supplier Part Number 1=GRM033R71E102KA01J, Terminal Finish=Nickel, Termination=Wraparound, Tolerance (fill in as +-)=10%, Width=0.3mm